# Altium PCB PCB_3U_CLK_DIST.PCBDOC (part 1 of 2)
Units mm, origin at the board's own origin, x right, y up, seen from the top; angles counter-clockwise.
Board outline 64.4 x 100 mm, 4 copper layers (Top, MP(G), L3, Bot), stack 1.624 mm thick; 183 components, 102 nets, 582 pads, 232 vias.
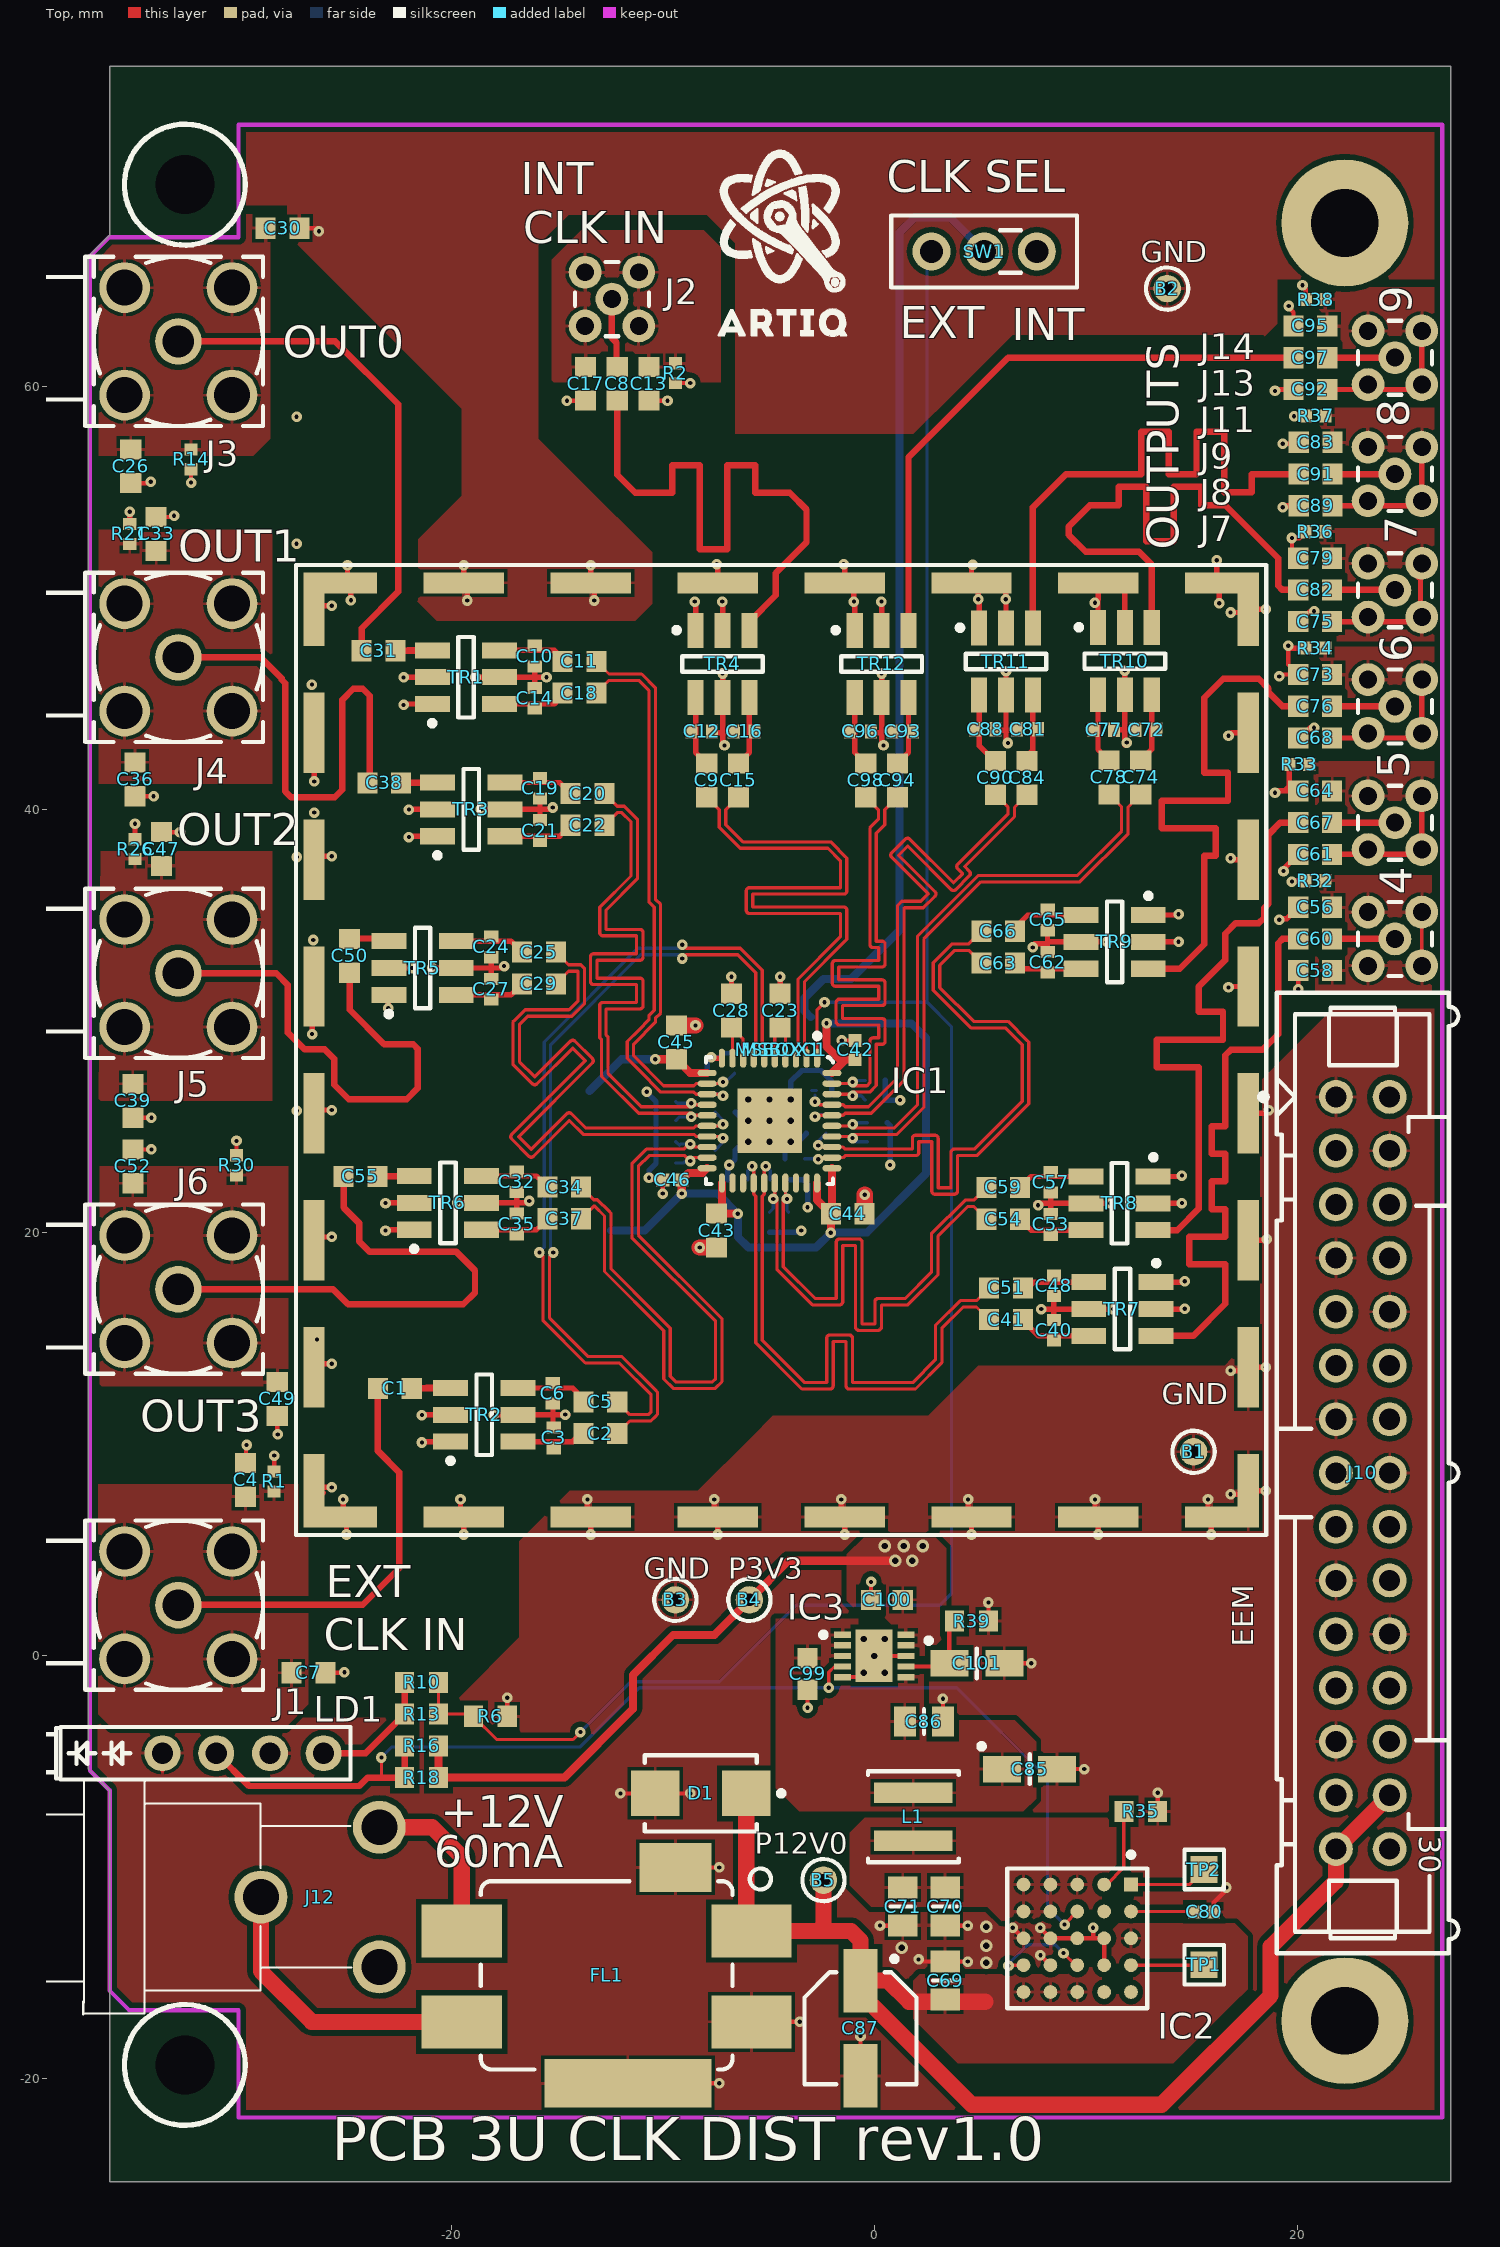
[diagram p0: Top view]
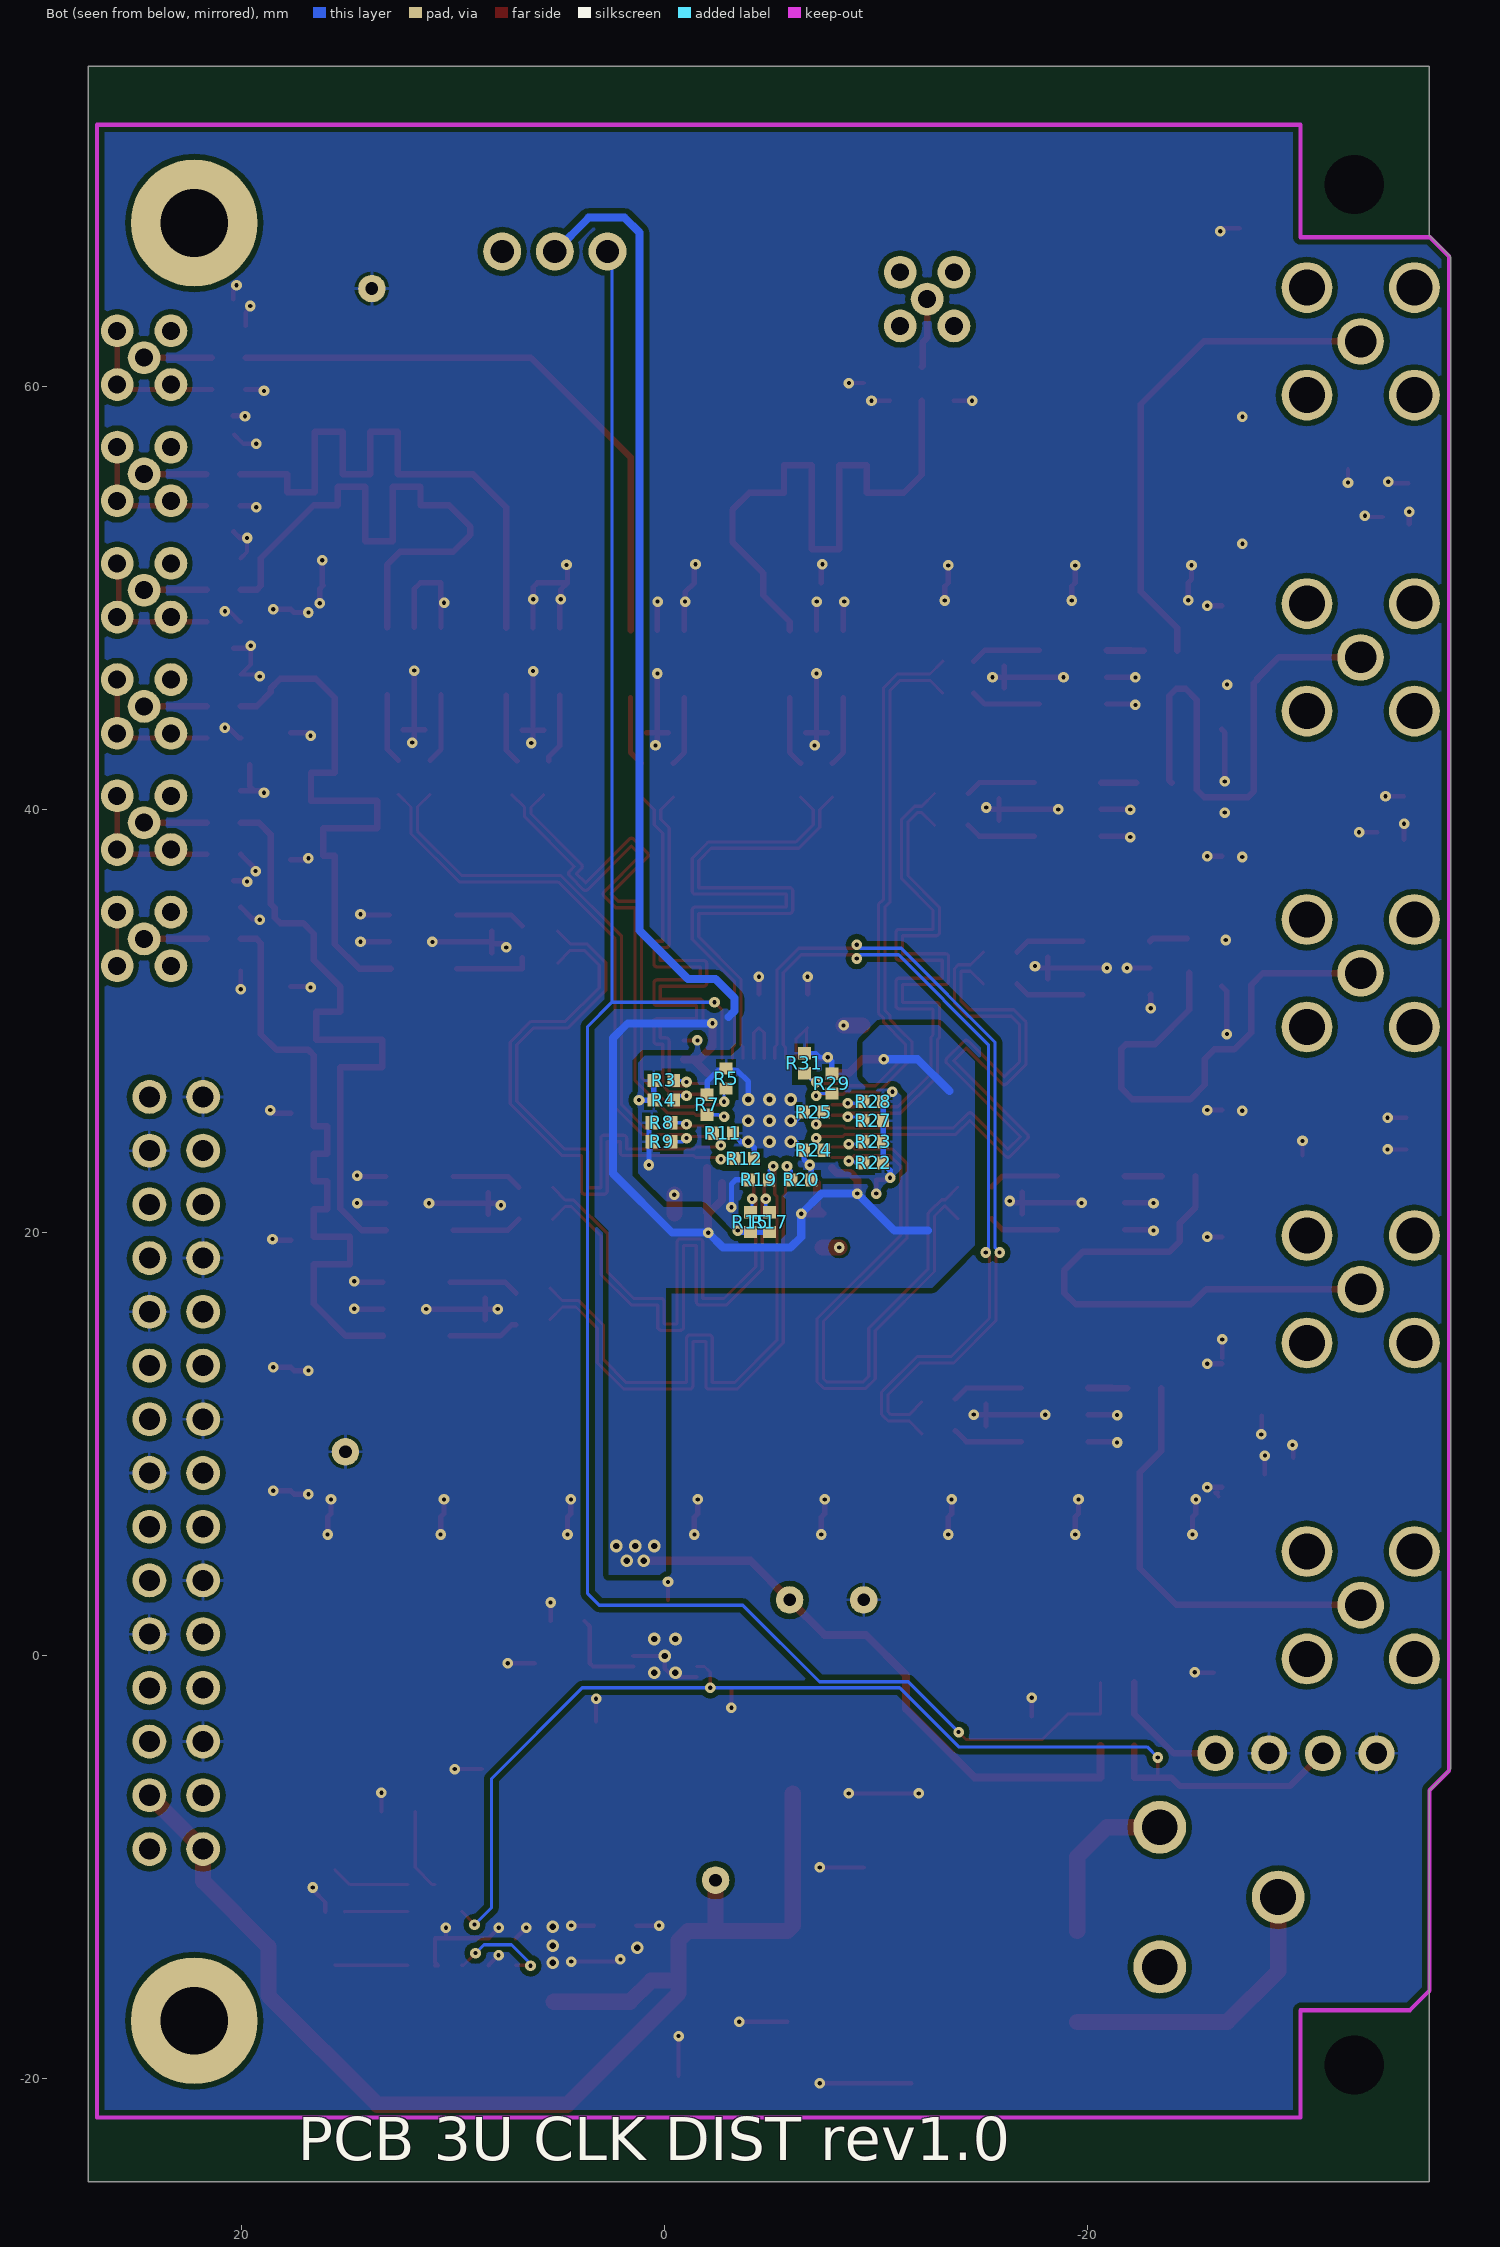
[diagram p1: Bot view, seen from below]
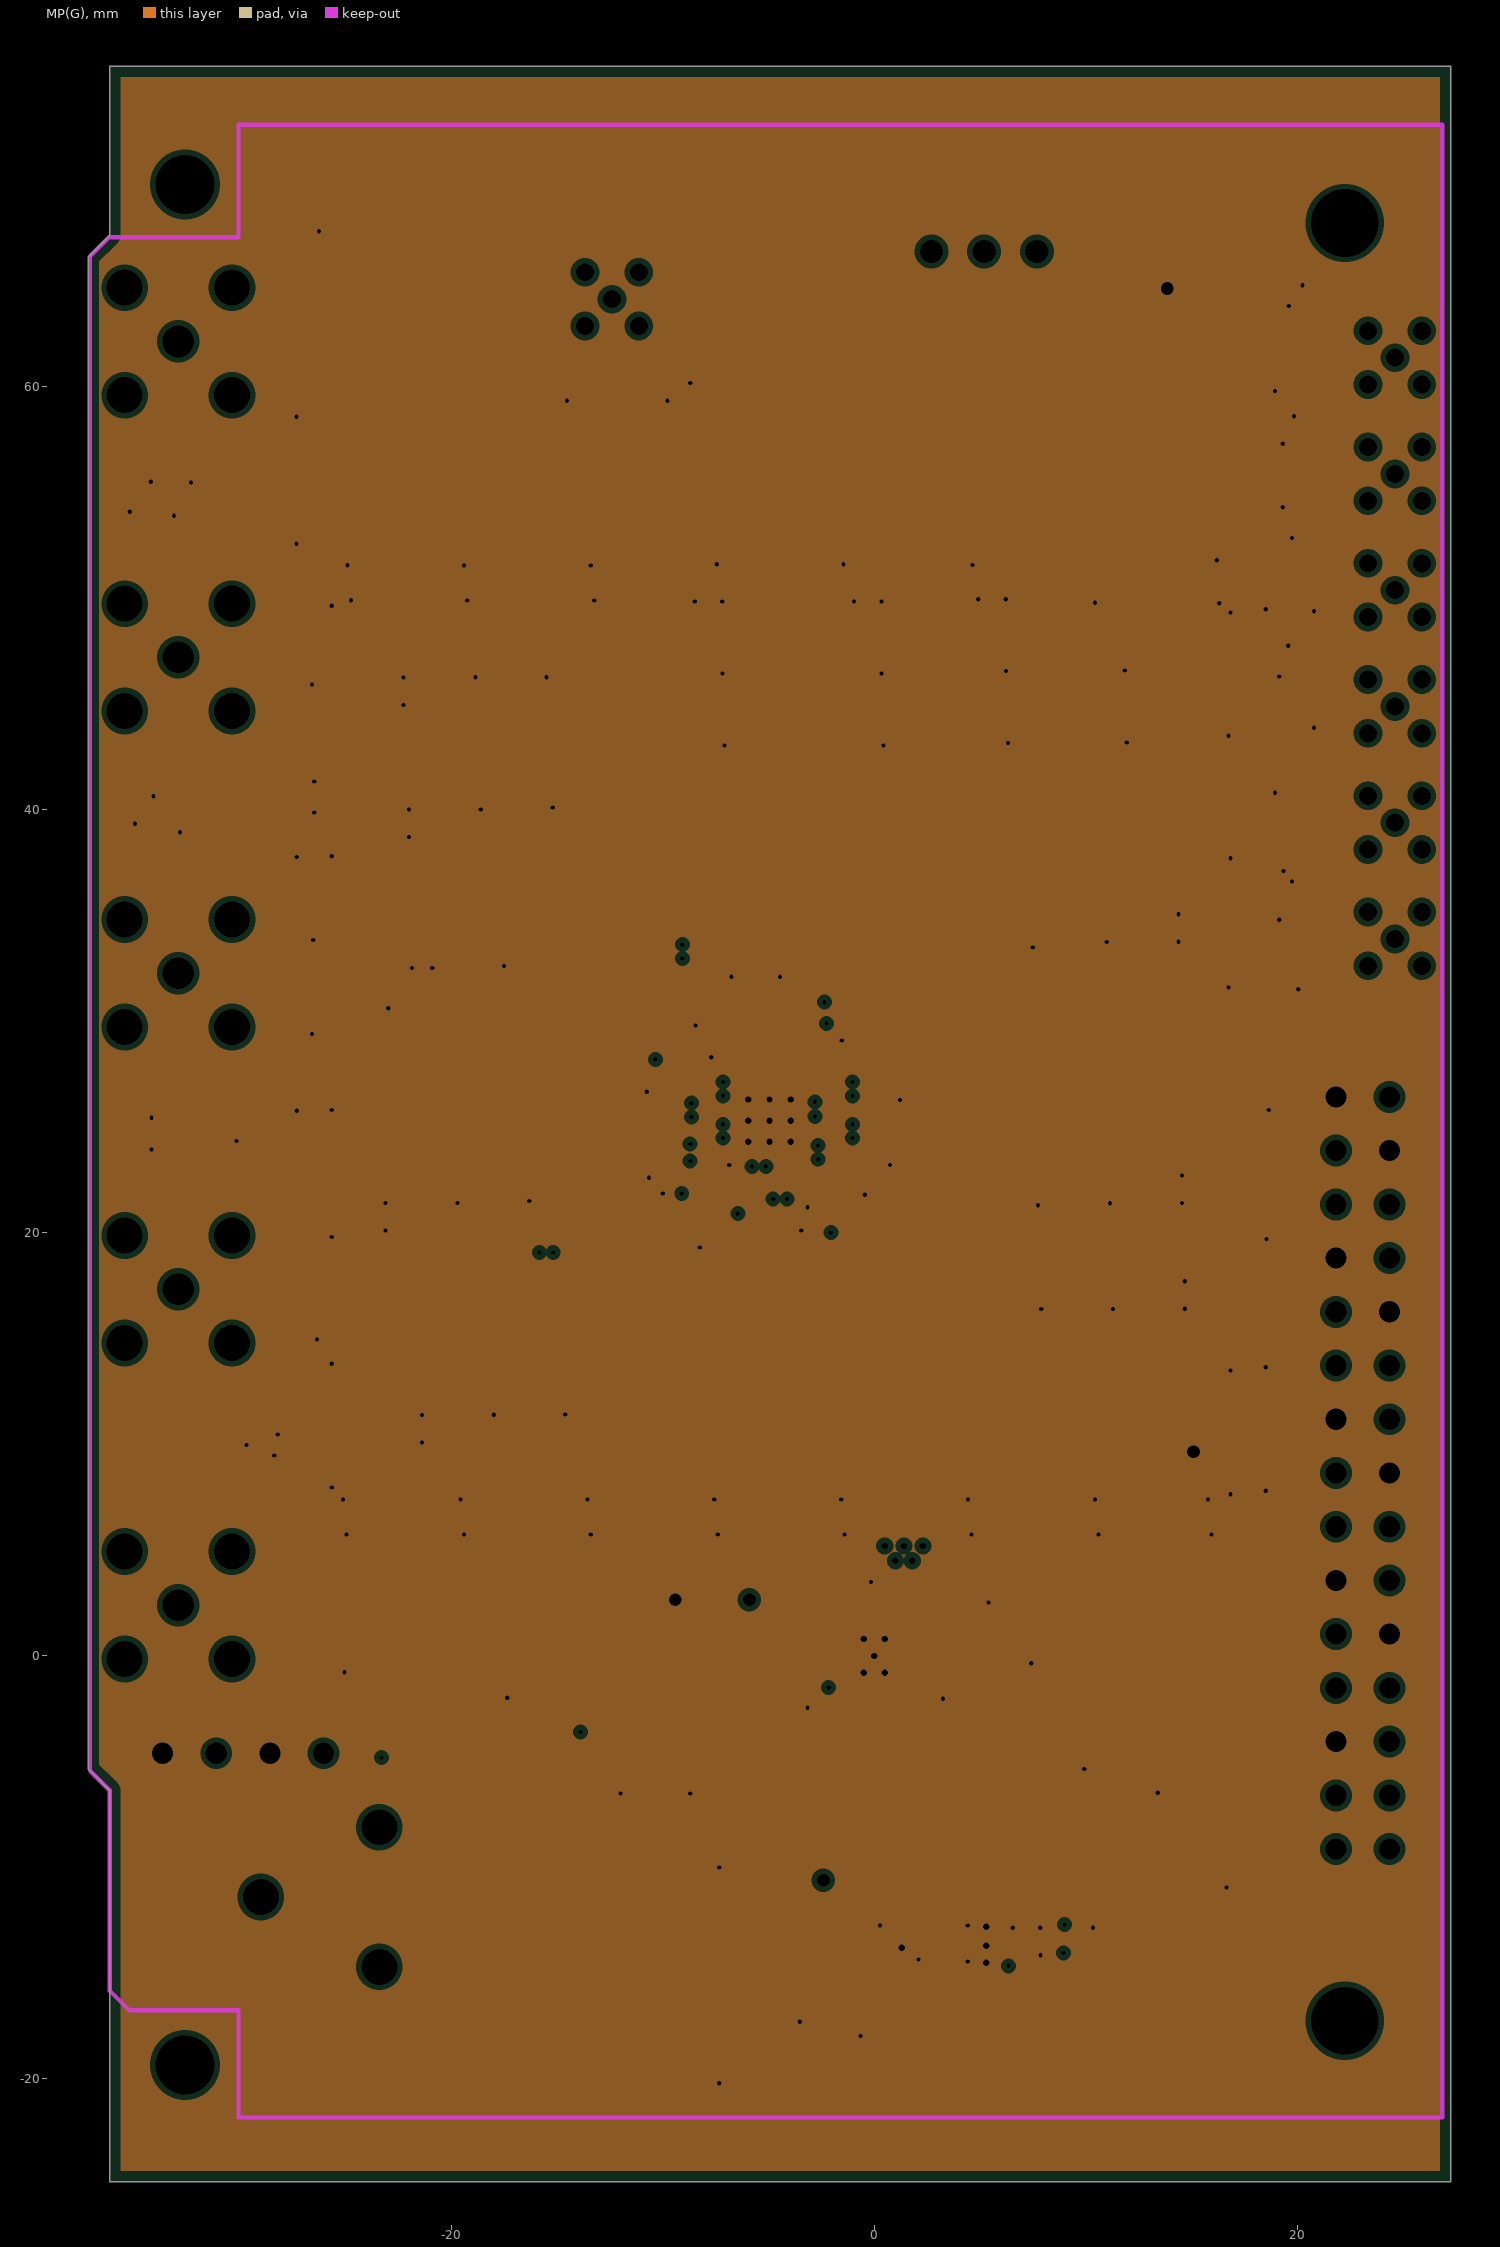
[diagram p2: MP(G), clearances drawn from the general rule]
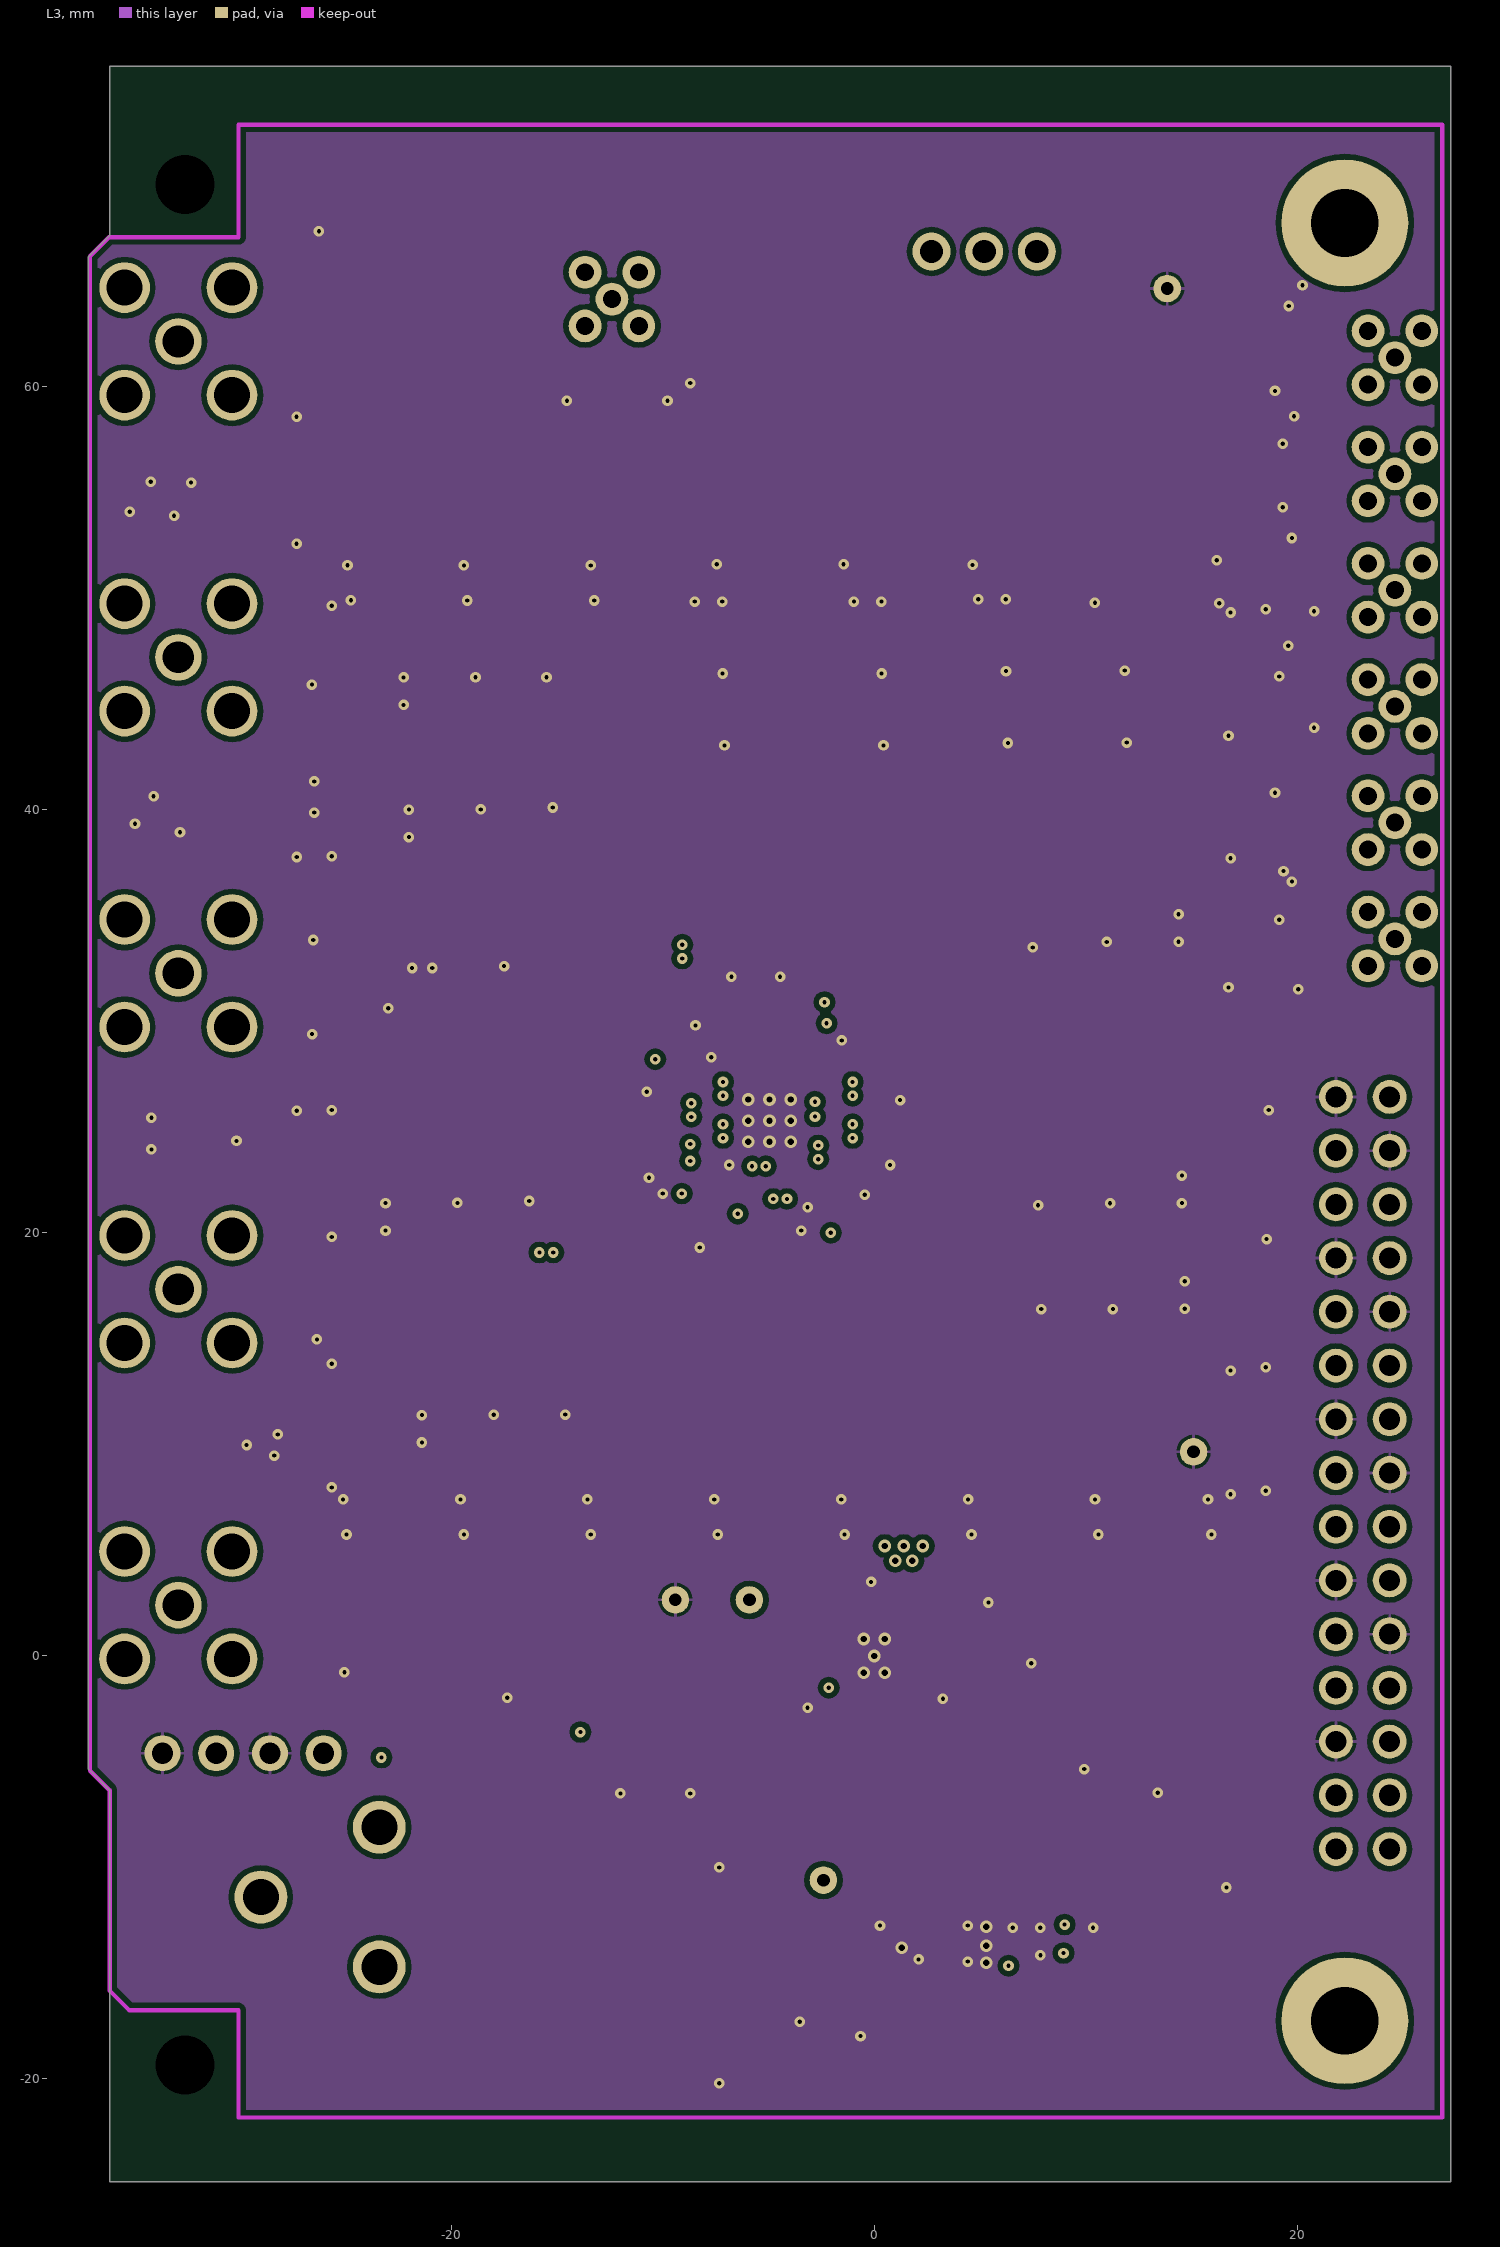
[diagram p3: L3]
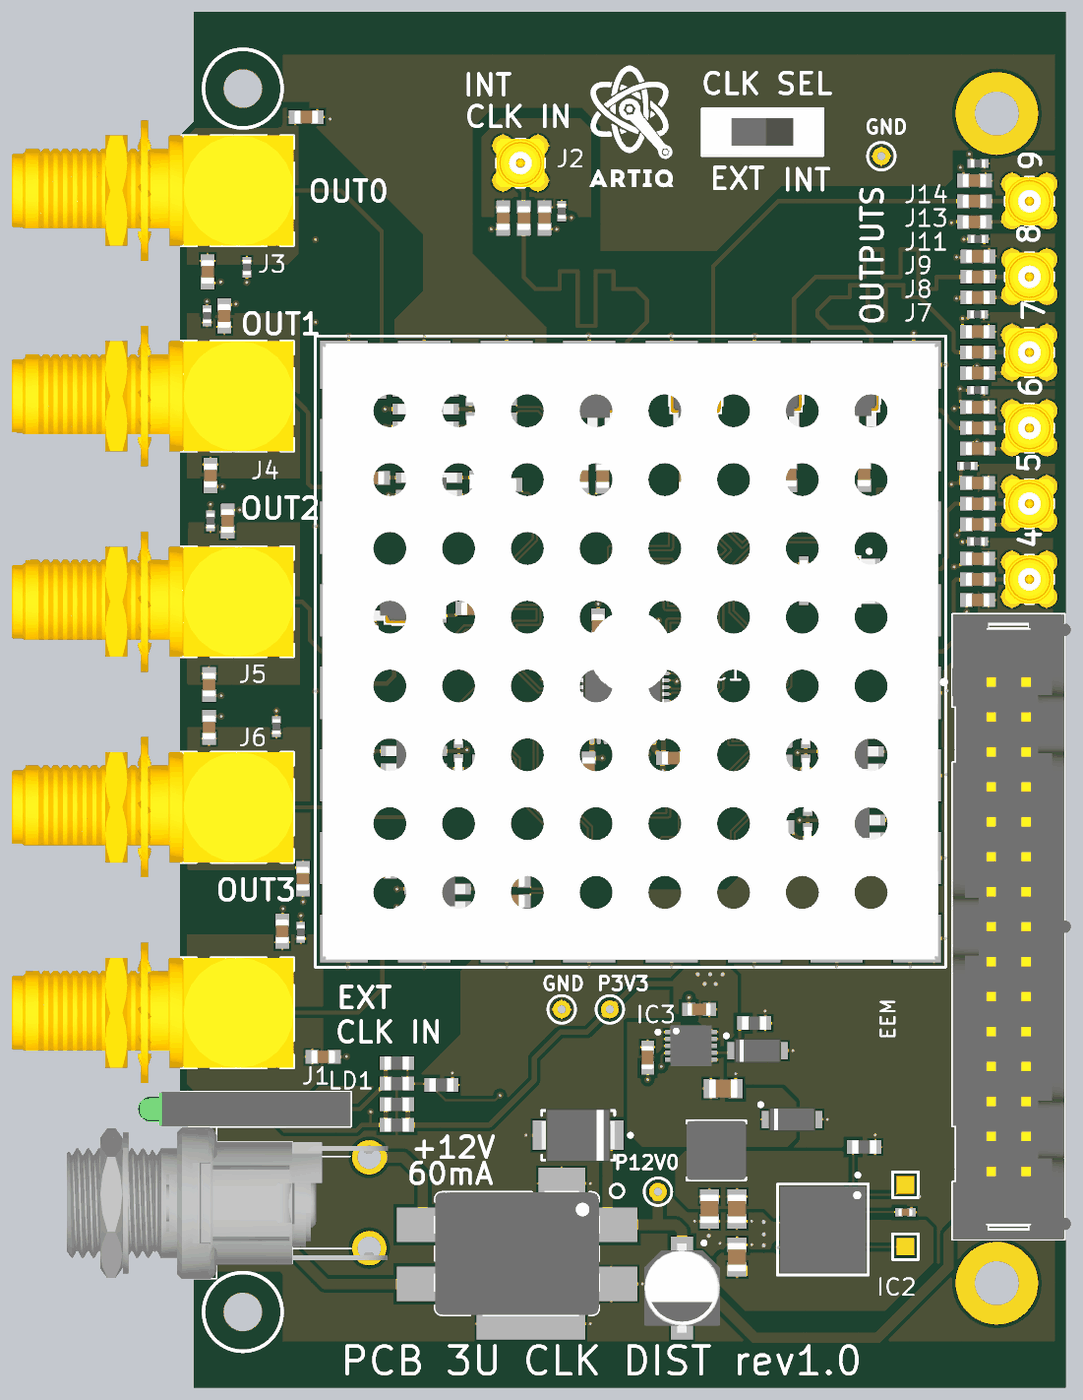
[diagram p5: 3D render of the assembled board from above, using the file's embedded part models]
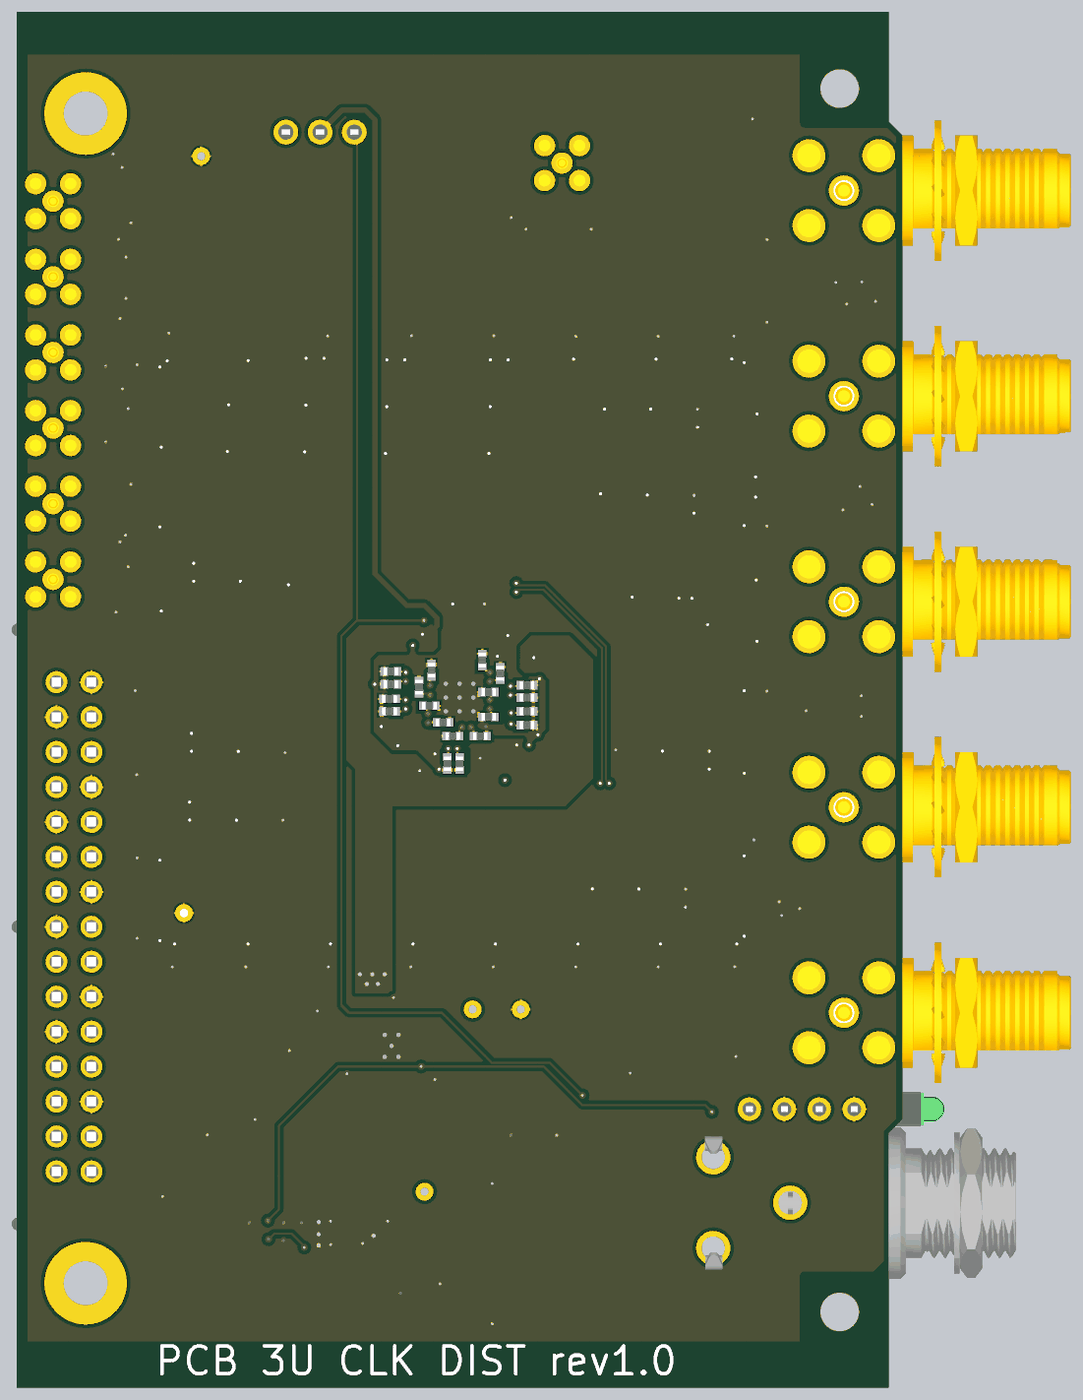
[diagram p6: 3D render of the assembled board from below, using the file's embedded part models]

## Layer stack, top to bottom
TopSolder: solder mask 0.0102, Solder Resist, Dk 3.5
Top: signal copper 0.056
Dielectric1: core 0.18, FR-4, Dk 4.8
MP(G): plane copper 0.036, net GND
Dielectric 3: core 1.08, Dk 4.2
L3: signal copper 0.036
Dielectric 4: prepreg 0.18, Dk 4.2
Bot: signal copper 0.056
BottomSolder: solder mask 0.0102, Solder Resist, Dk 3.5

## Board outline
-37.15,15.92 -37.15,66.15 -36.15,67.15 -36.15,75.15 27.25,75.15 27.25,-24.85 -36.15,-24.85 -36.15,-6.35 -37.15,-5.35
